# Altium PCB InsaneKeyboard.PcbDoc (part 1 of 4)
Units mil, origin at the board's own origin, x right, y up, seen from the top; angles counter-clockwise.
Board outline 7442.83 x 6333.68 mil, 4 copper layers (Top Layer, Int1 (GND), Int2 (GND), Bottom Layer), stack 60.6 mil thick; 288 components, 175 nets, 883 pads, 467 vias.
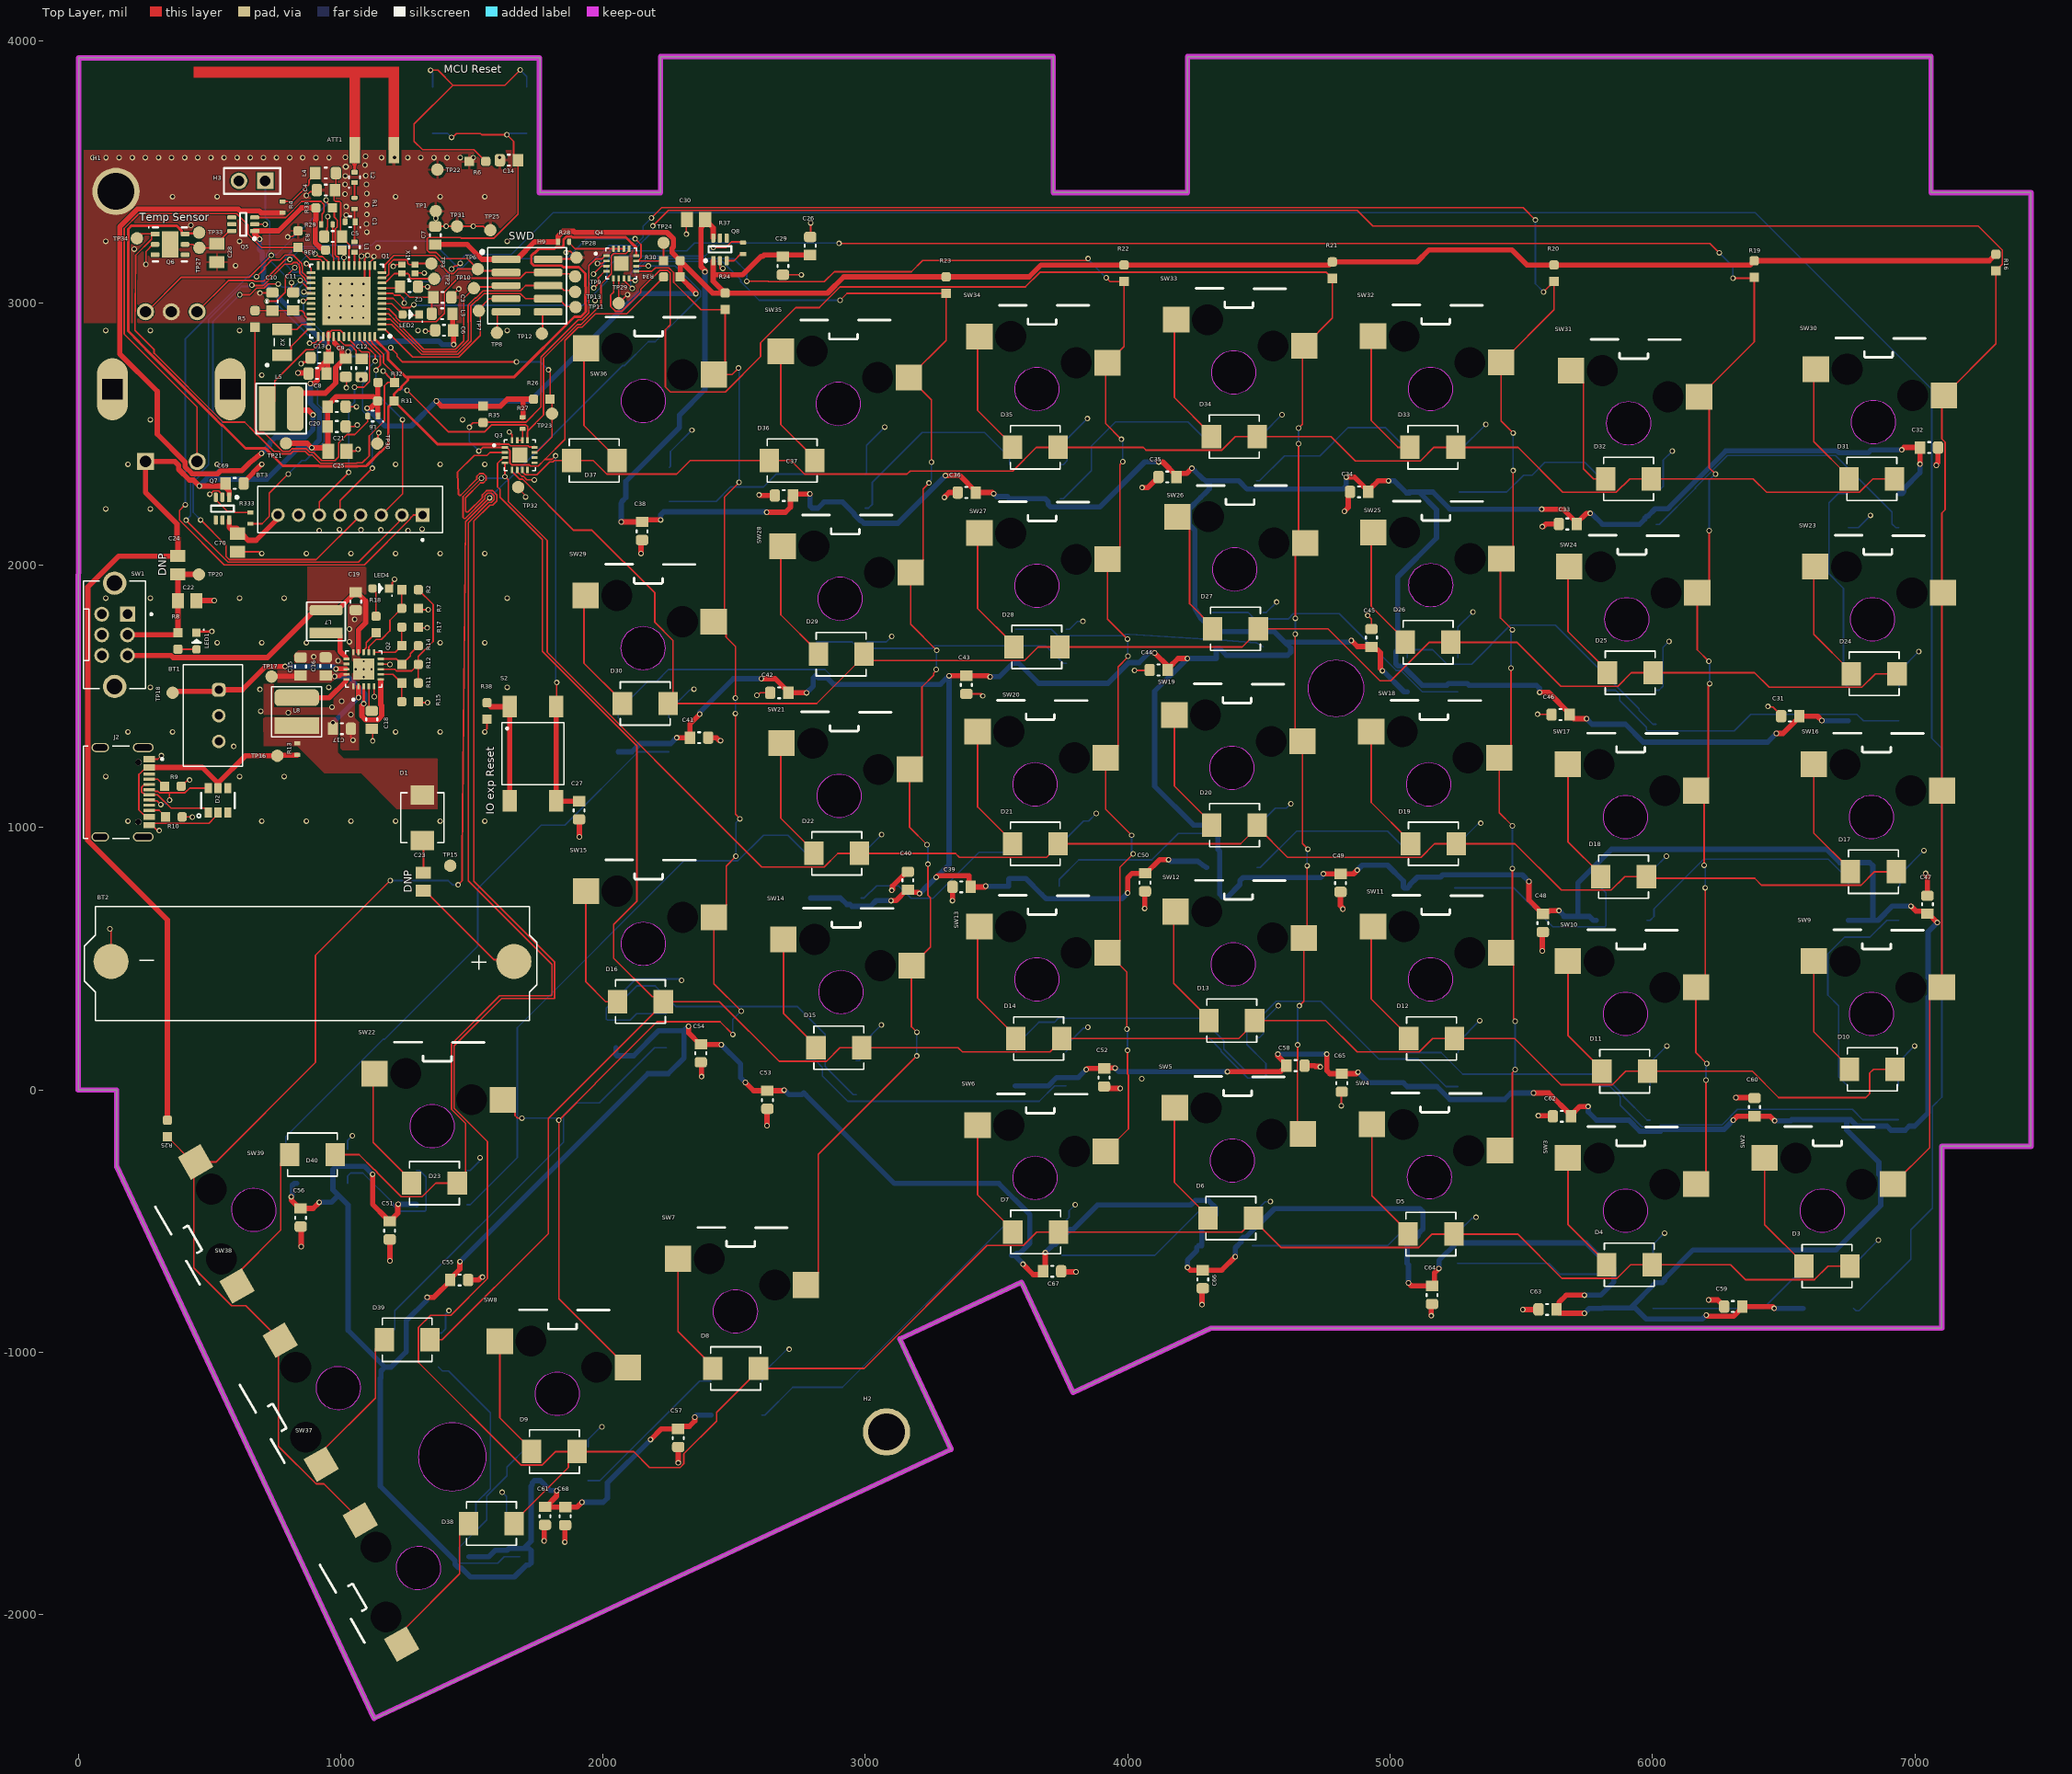
[diagram p0: Top Layer view]
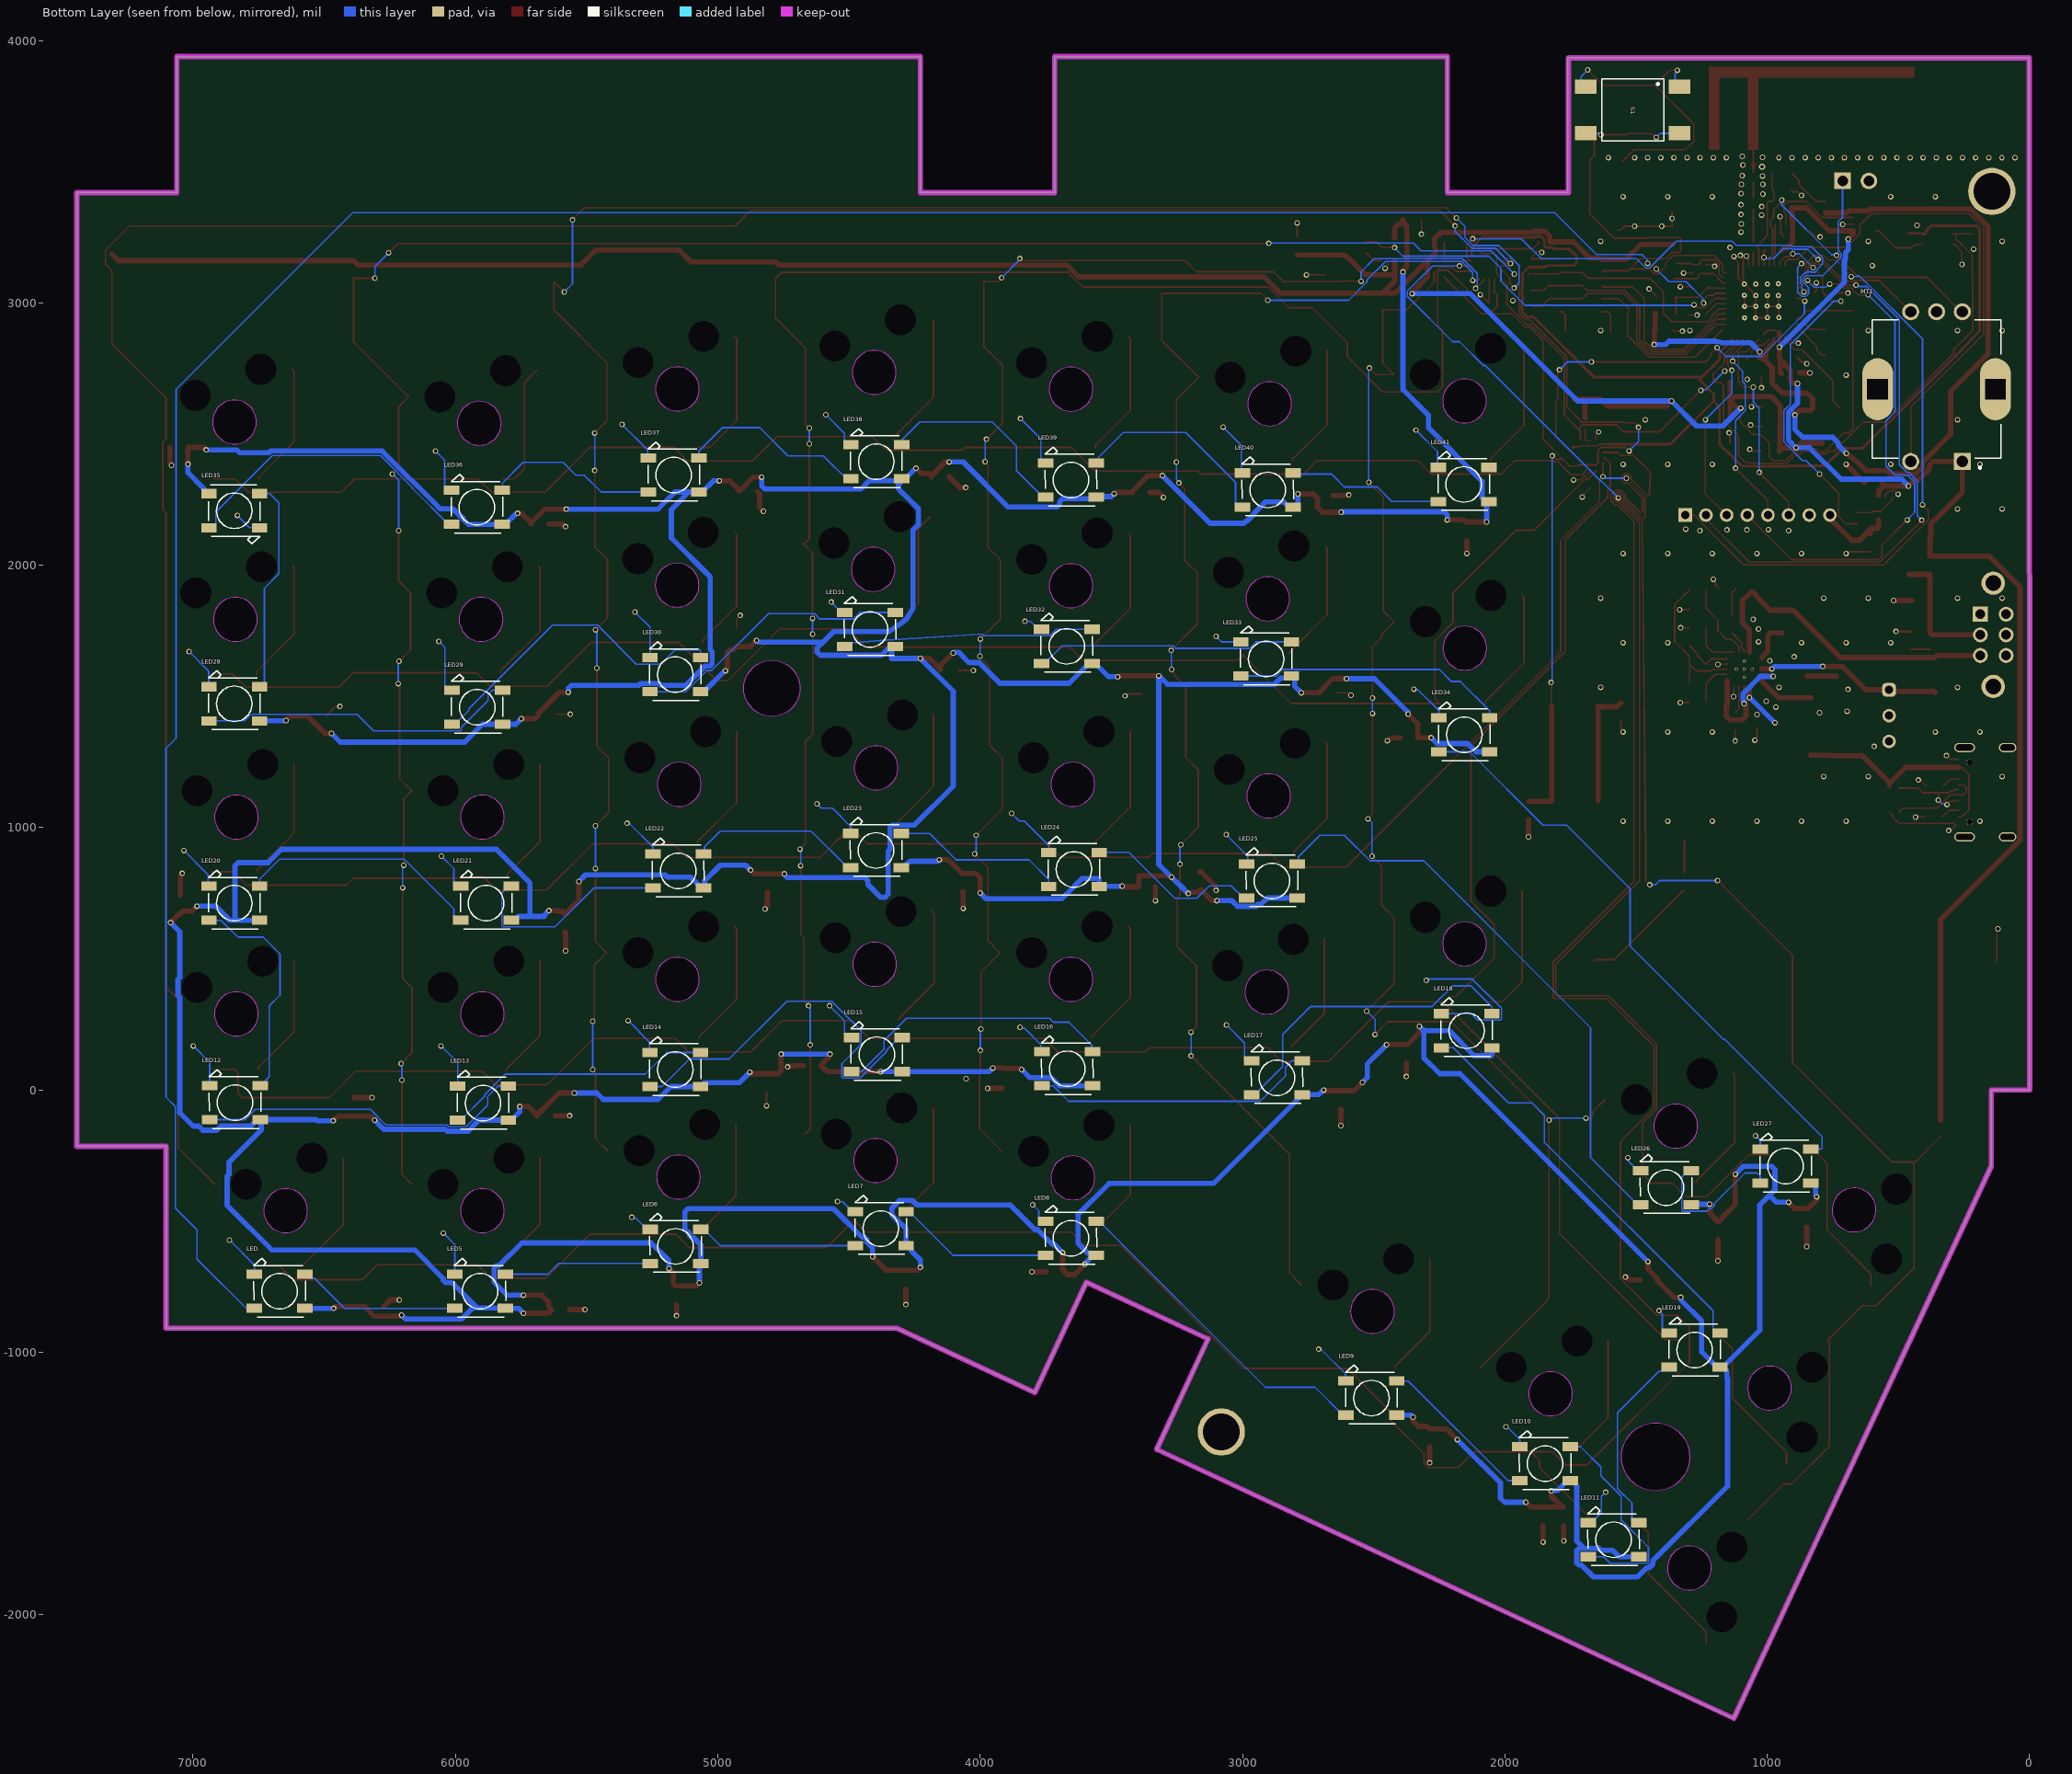
[diagram p1: Bottom Layer view, seen from below]
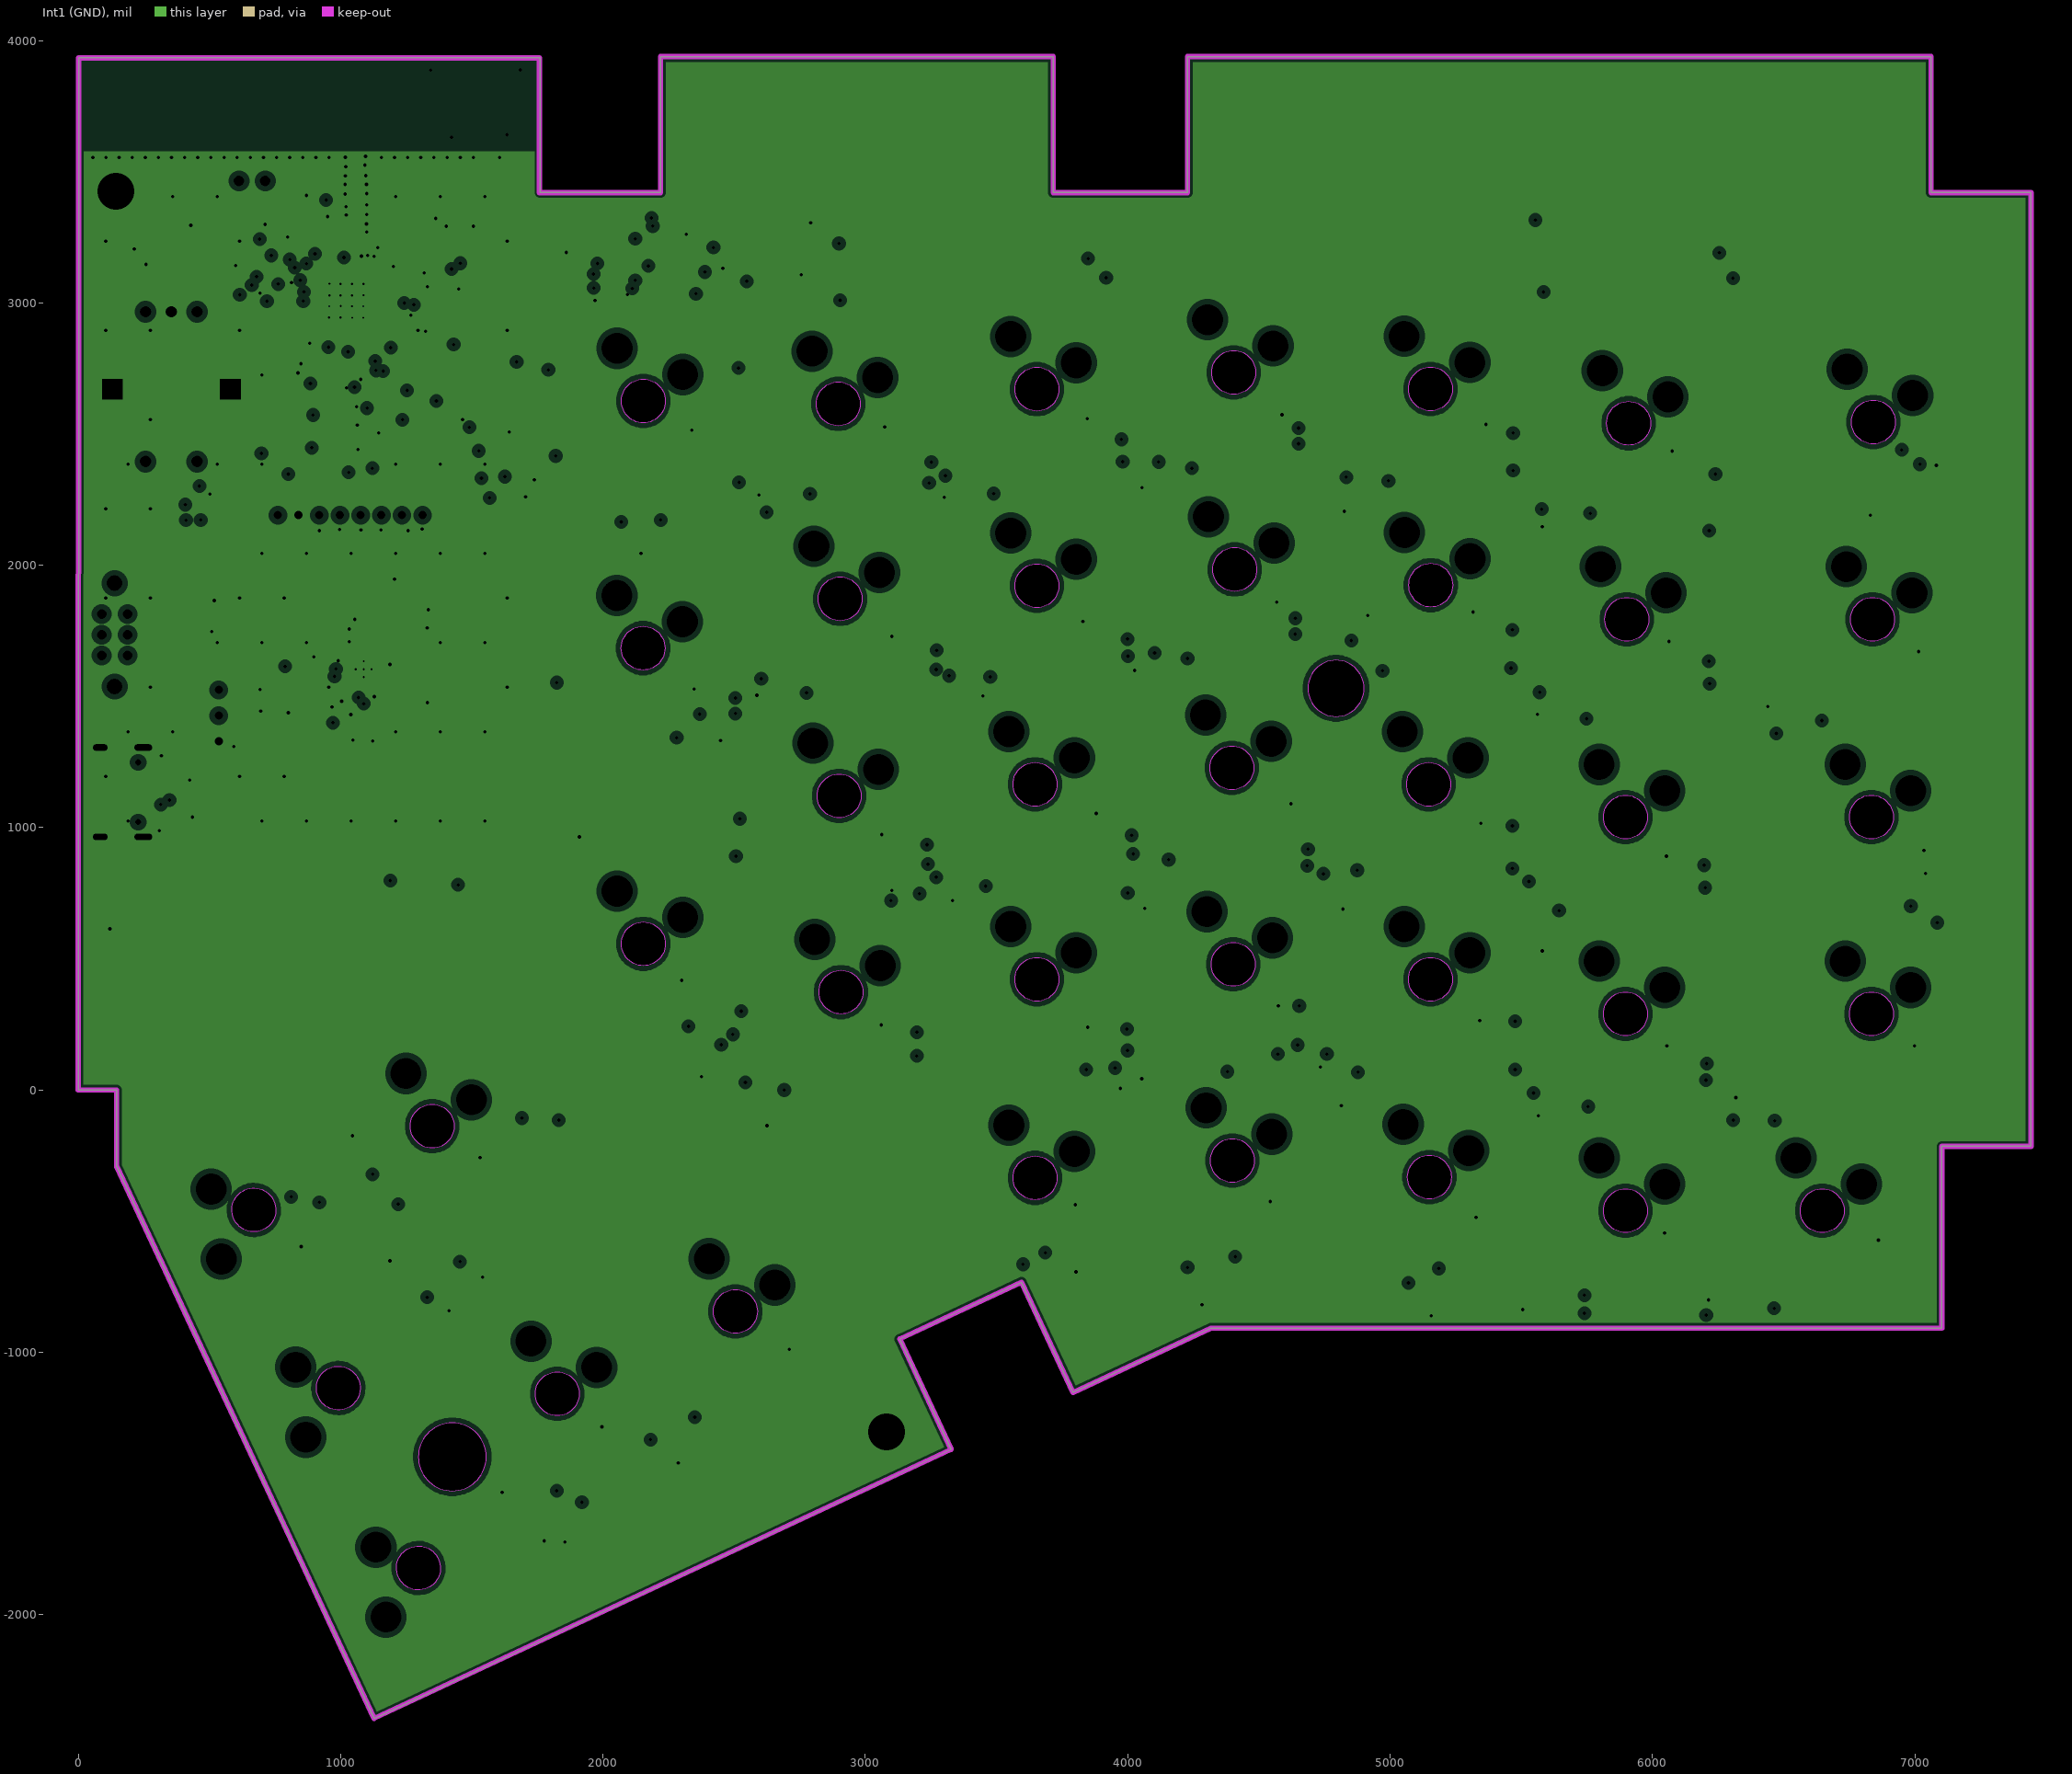
[diagram p2: Int1 (GND), clearances drawn from the general rule]
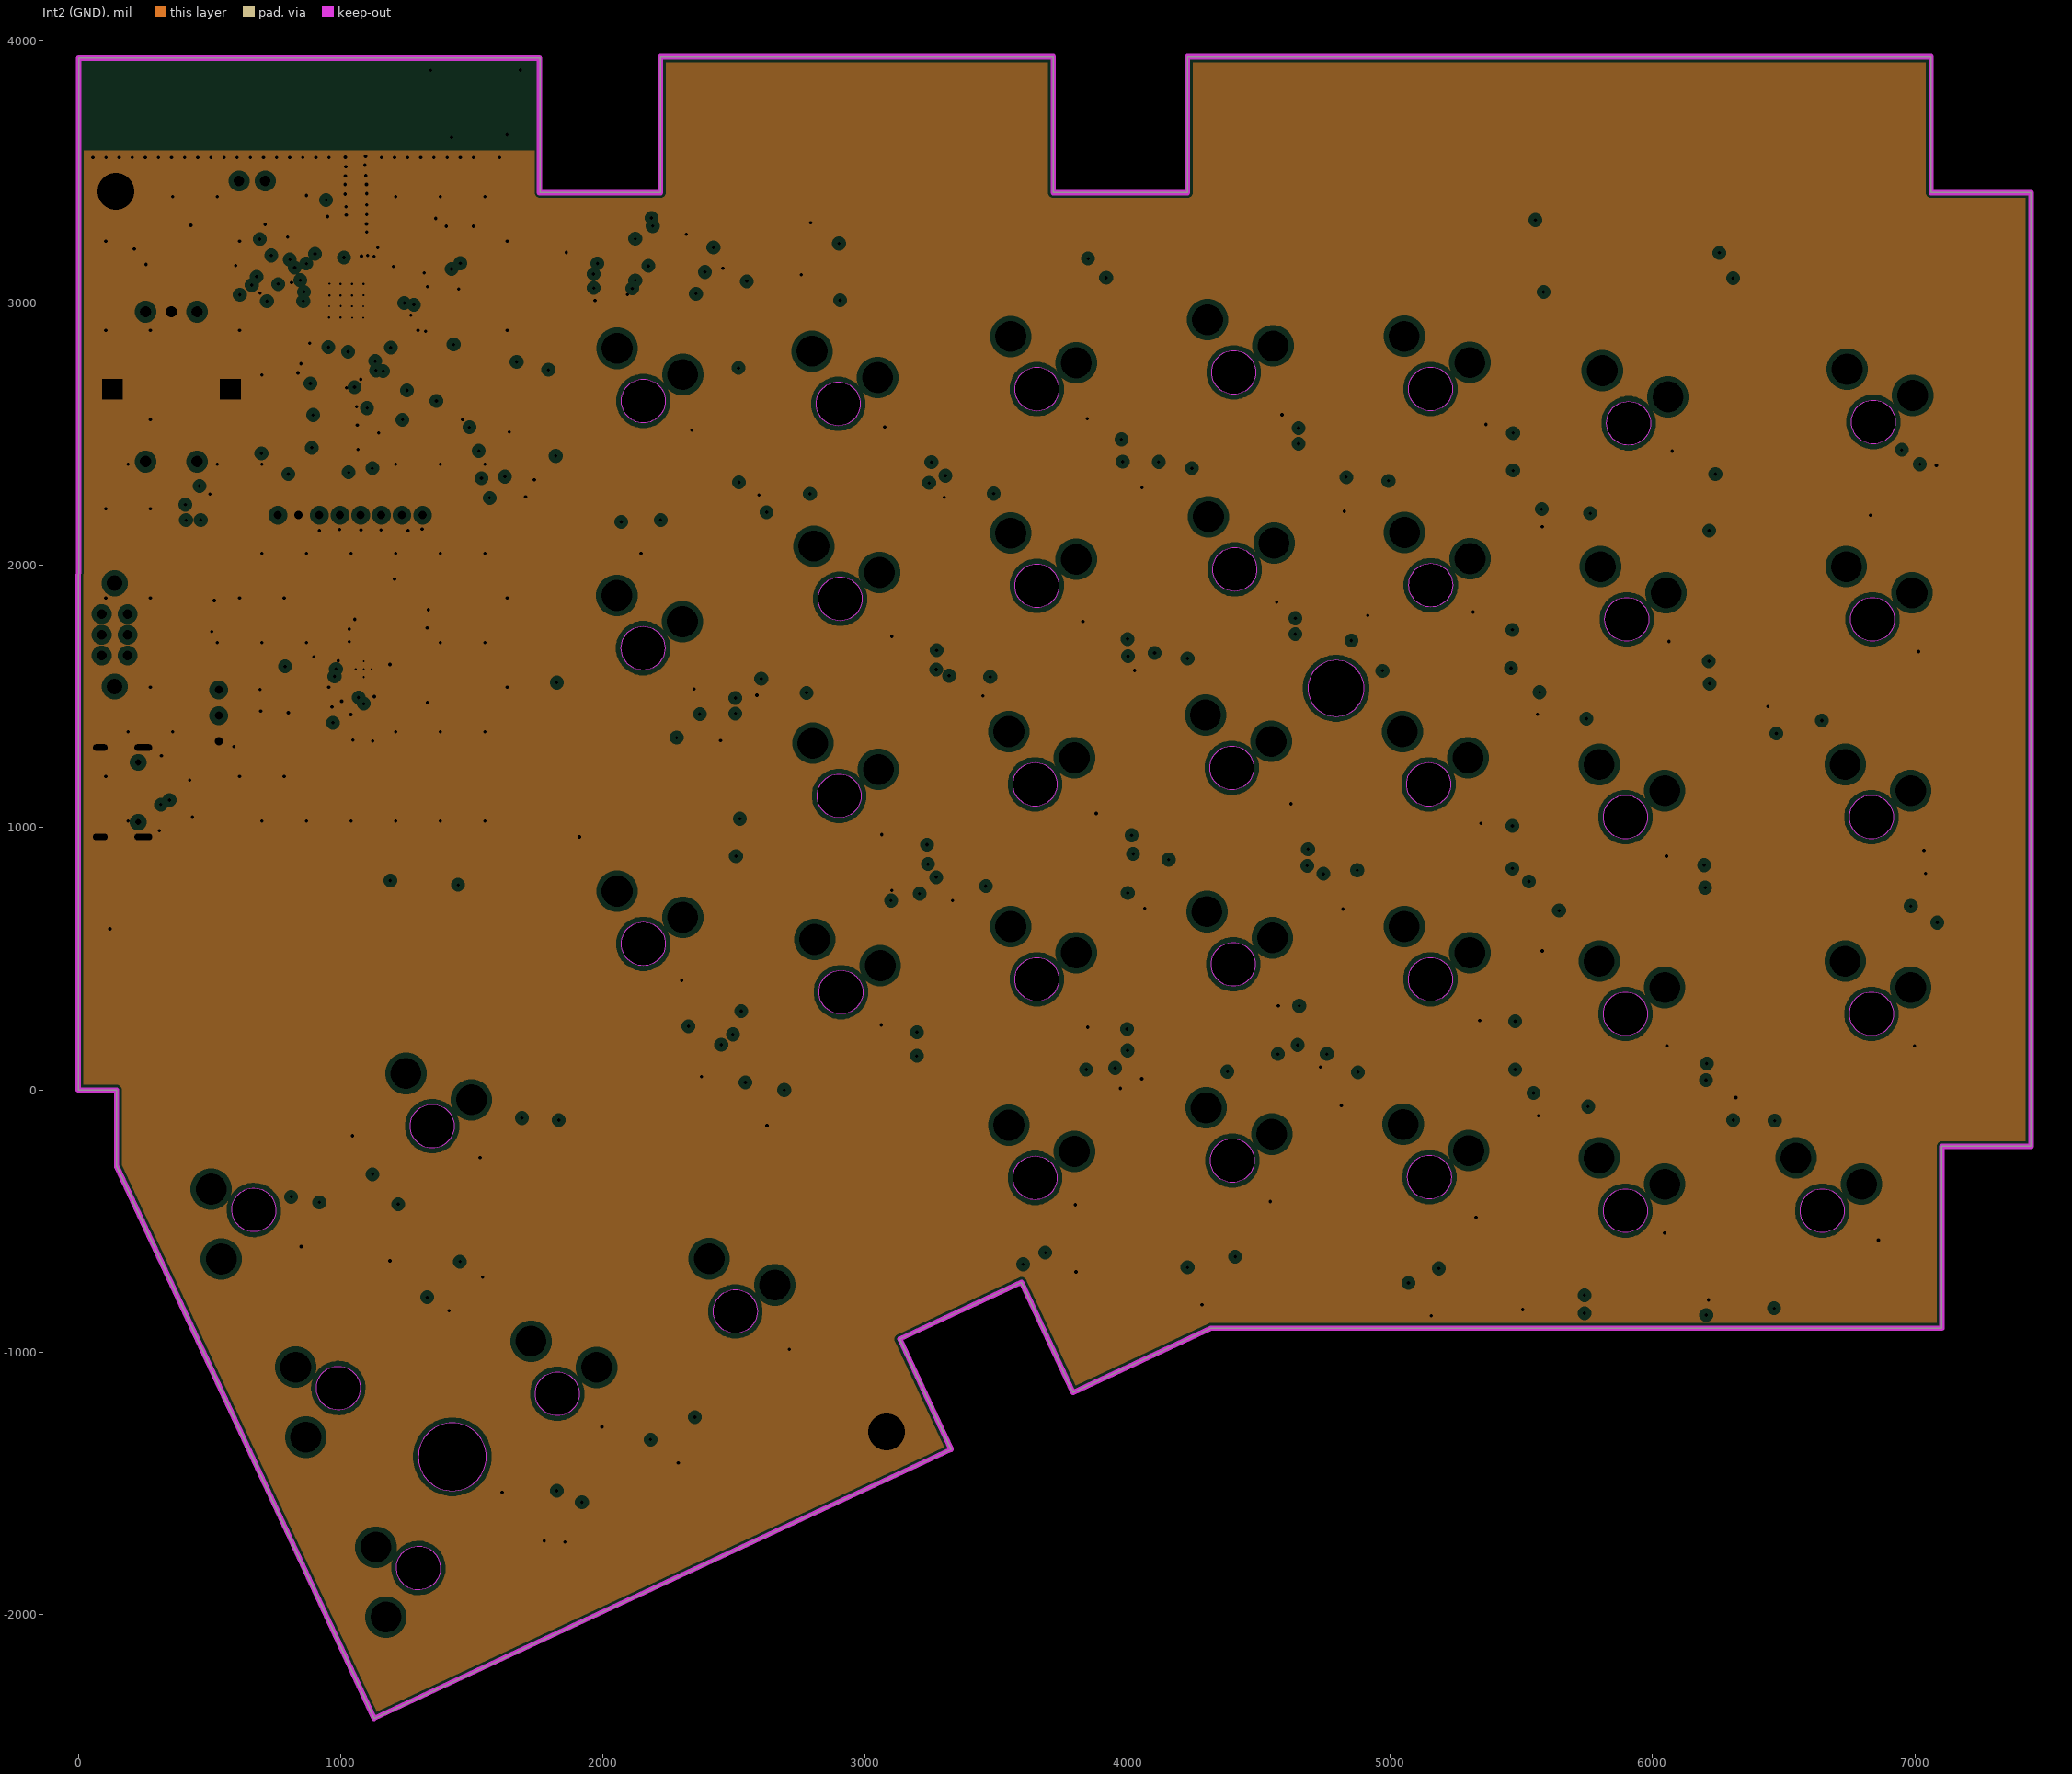
[diagram p3: Int2 (GND), clearances drawn from the general rule]
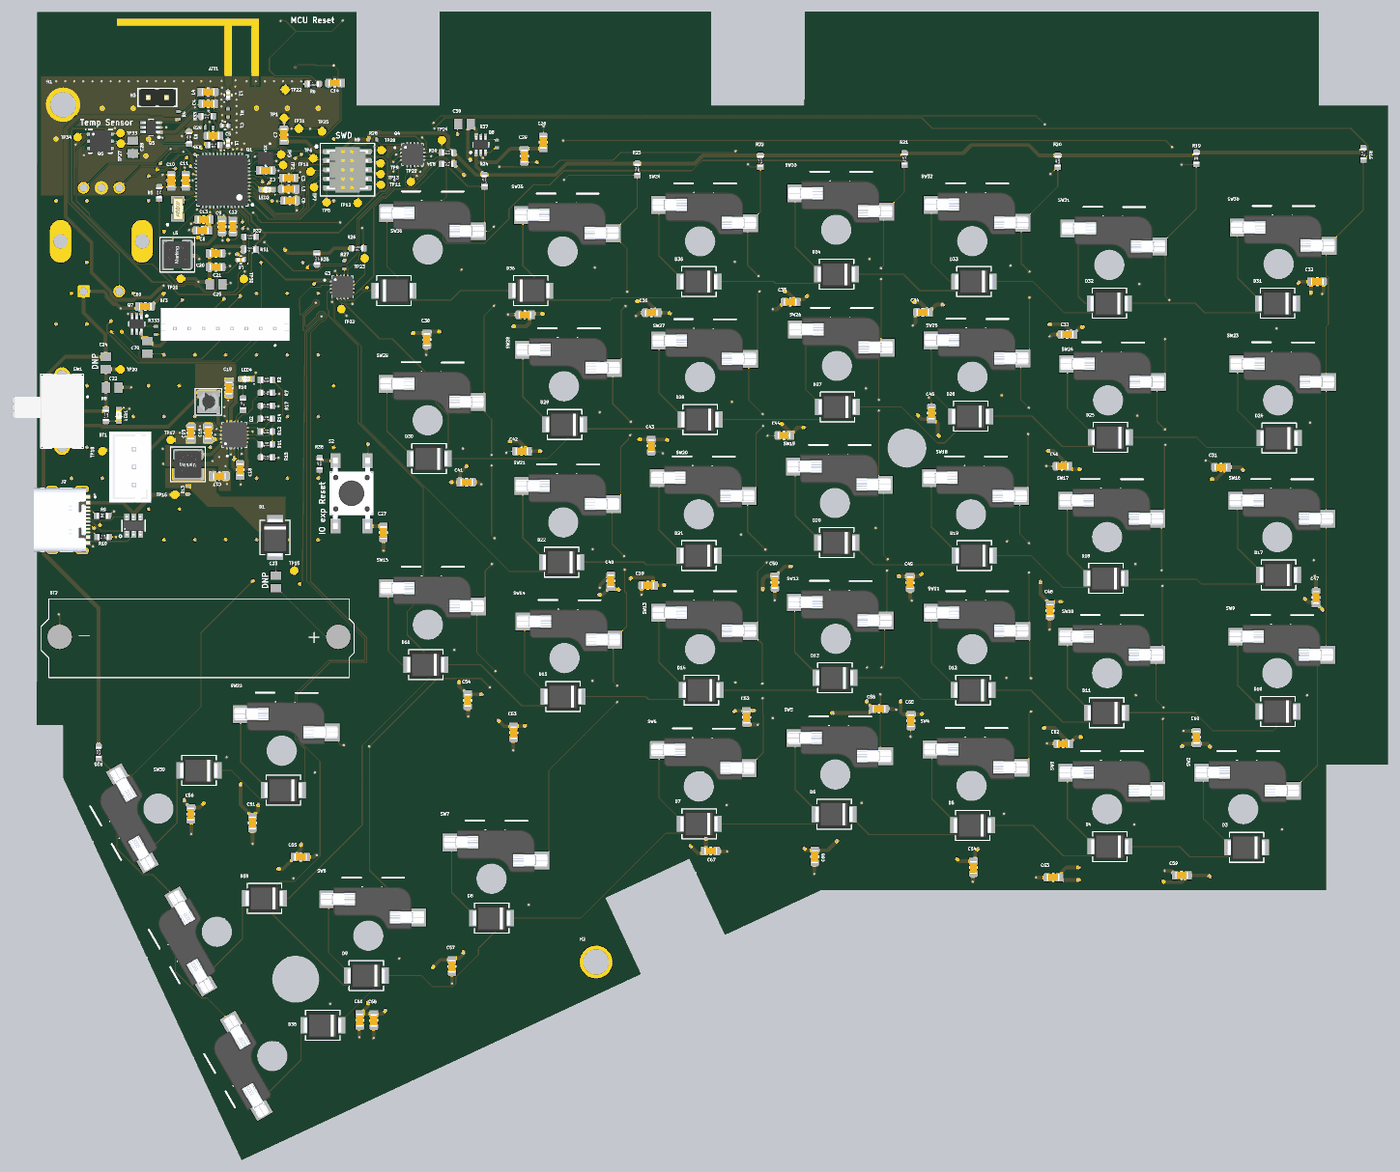
[diagram p7: 3D render of the assembled board from above, using the file's embedded part models]

## Layer stack, top to bottom
Top Solder: solder mask 0.8, SM-001, Dk 4
Top Layer: signal copper 1.4
Dielectric 1: prepreg 4, PP-017, Dk 4.3
Int1 (GND): plane copper 1.4, net GND
Dielectric 3: core 47, Core-039, Dk 4.8
Int2 (GND): plane copper 1.4, net GND
Dielectric 5: prepreg 4, PP-017, Dk 4.3
Bottom Layer: signal copper 1.4
Bottom Solder: solder mask 0.8, SM-001, Dk 4

## Board outline
479.2,-1003.43 795.33,-1681.38 1128.1,-2395 3327.42,-1369.44 3131.41,-949.1 3595.27,-732.8 3791.28,-1153.14 4317.45,-907.78 7103.08,-907.78 7103.08,-214.47 7442.84,-214.47 7442.84,3420.21 7062.33,3420.21 7062.33,3938.68 4227.68,3938.68 4227.68,3420.22 3715.87,3420.22 3715.87,3938.68 2219.81,3938.68 2219.81,3420.22 1760,3420.22 1760,3934.74 1.84,3934.75 0.01,-0.09 146.43,-0.09 146.43,-289.8
cut-out: 4686.83,1531 ccw(c4794,1531) 4794,1423.83 ccw(c4794,1531) 4901.17,1531 ccw(c4794,1531) 4794,1638.17 ccw(c4794,1531)
cut-out: 1296.37,-1398 ccw(c1426,-1398) 1426,-1527.63 ccw(c1426,-1398) 1555.63,-1398 ccw(c1426,-1398) 1426,-1268.37 ccw(c1426,-1398)
